# Altium PCB PCB1.PcbDoc (part 1 of 2)
Units mil, origin at the board's own origin, x right, y up, seen from the top; angles counter-clockwise.
Board outline 2012 x 1904 mil, 2 copper layers (Top Layer, Bottom Layer); 232 components, 45 nets, 892 pads, 160 vias.
Unrouted connection lines stored in the file: 3.
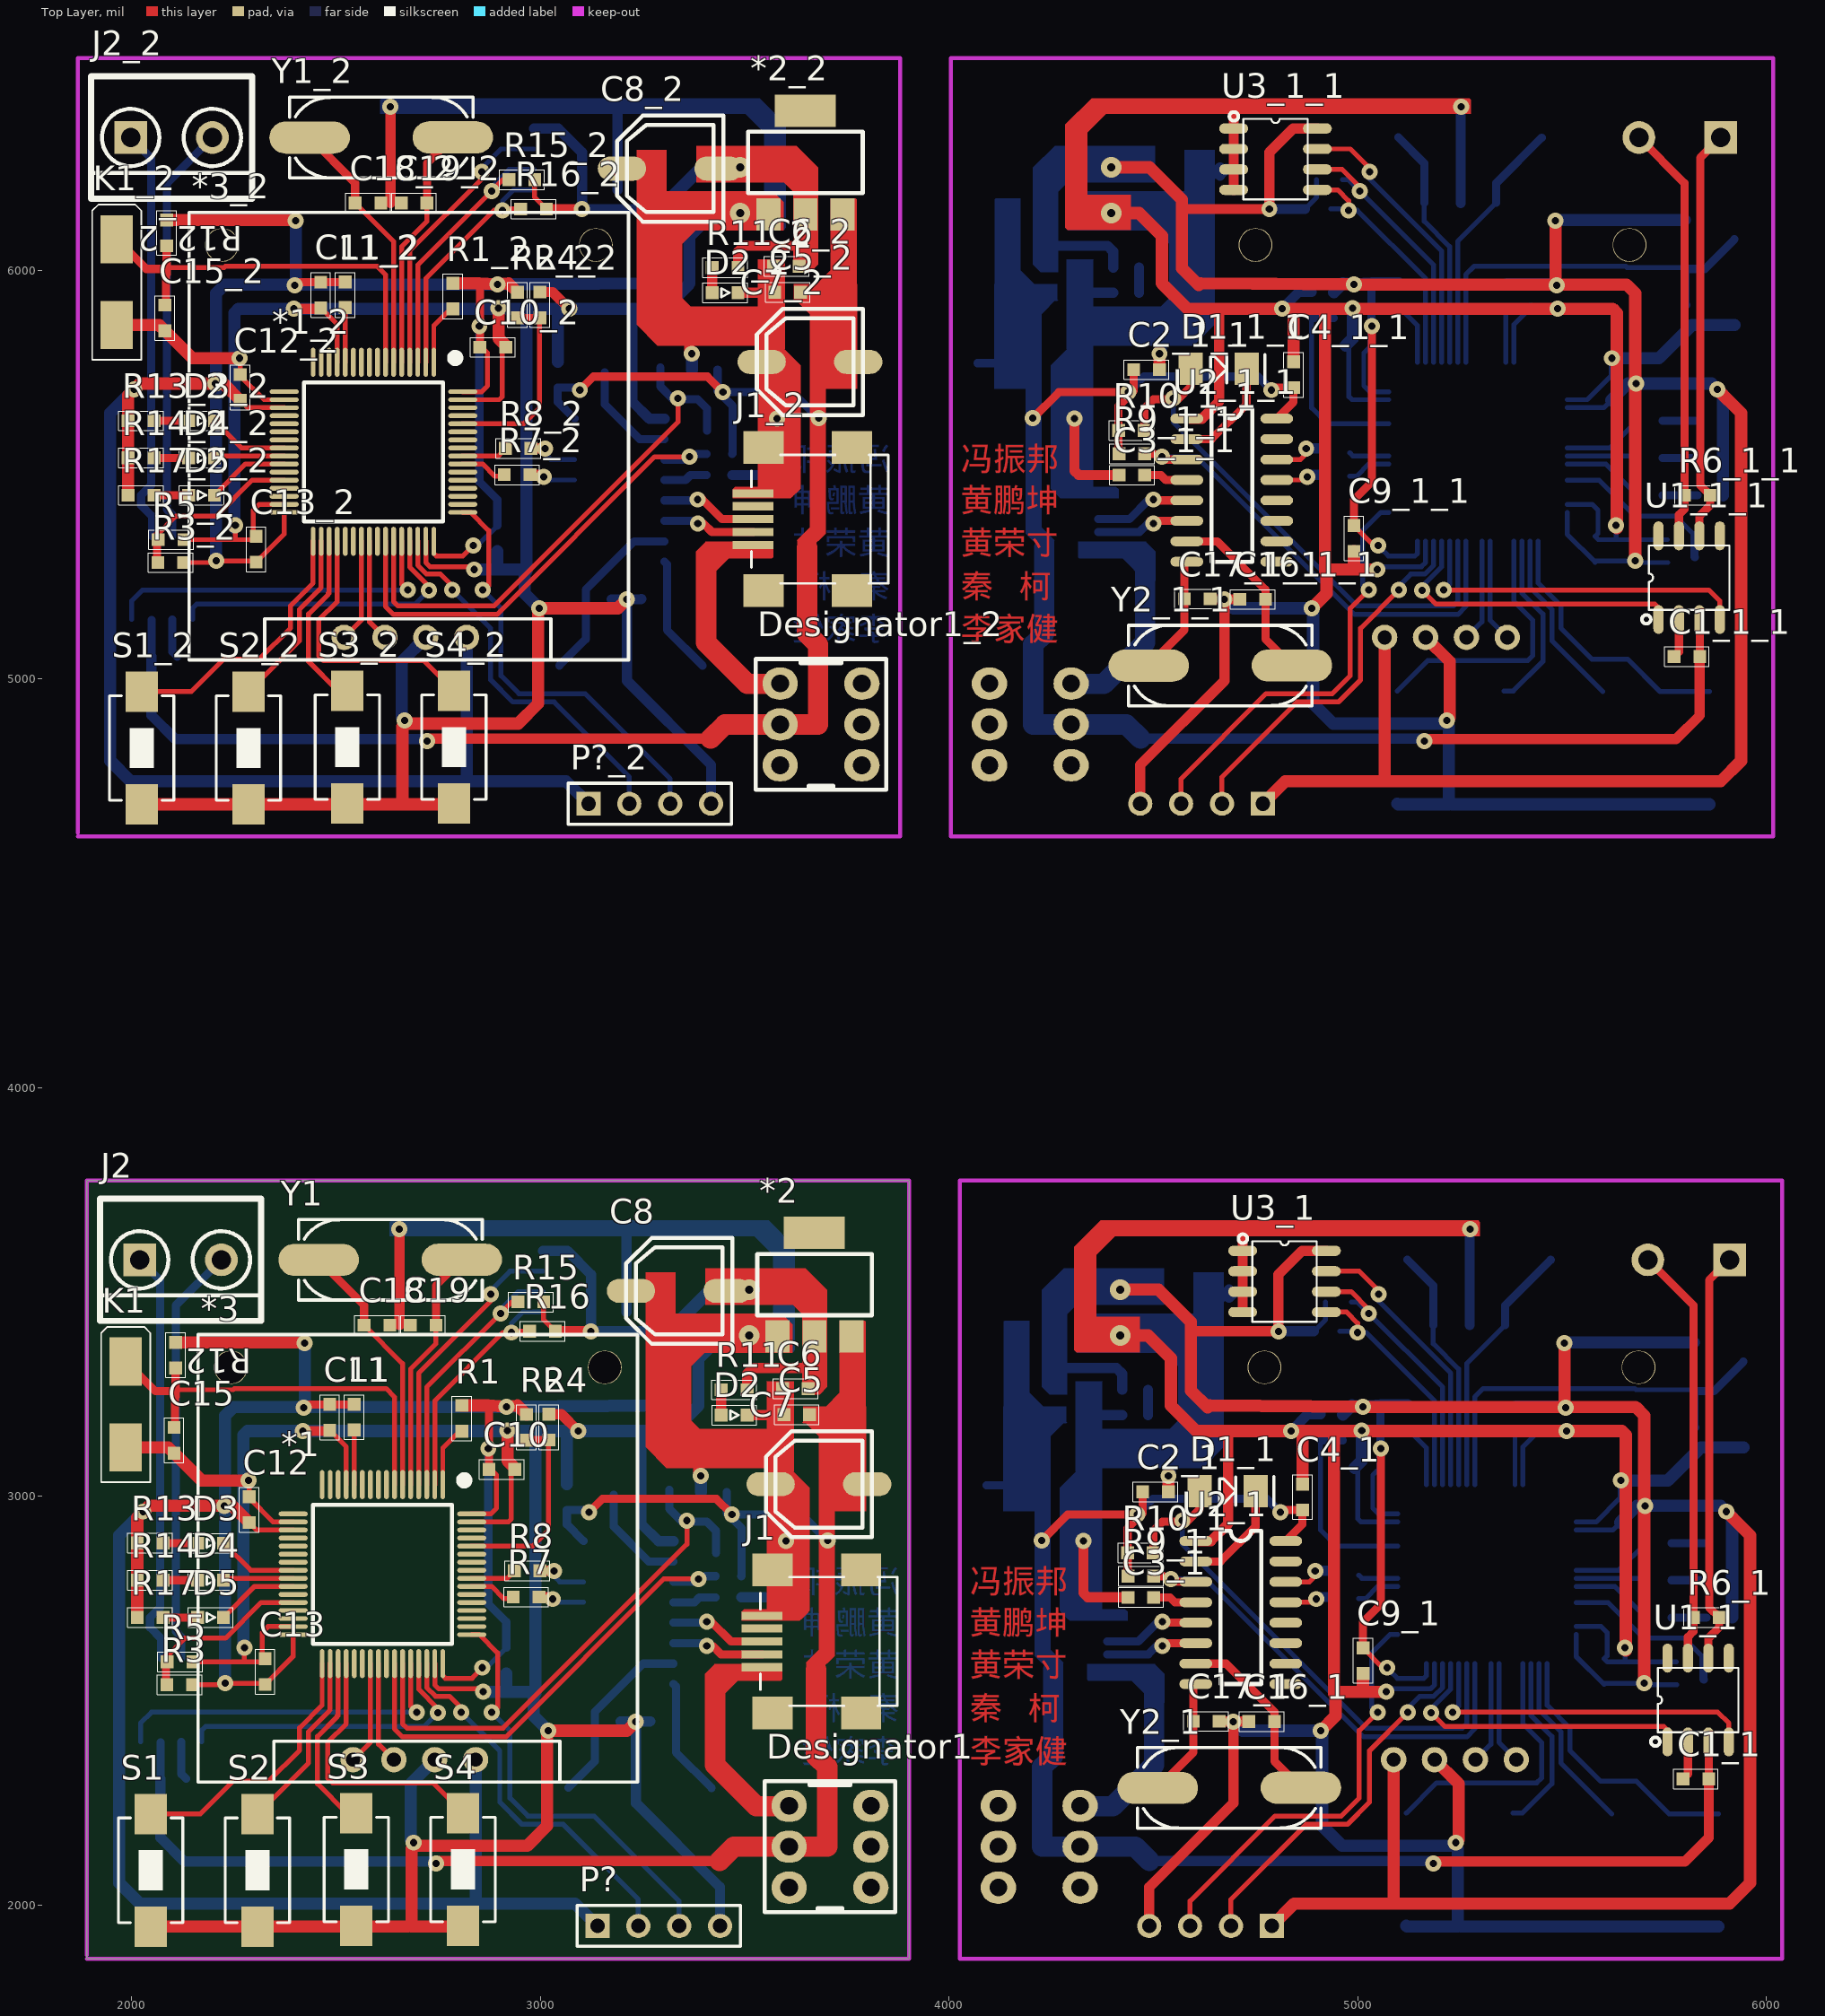
[diagram p0: Top Layer view]
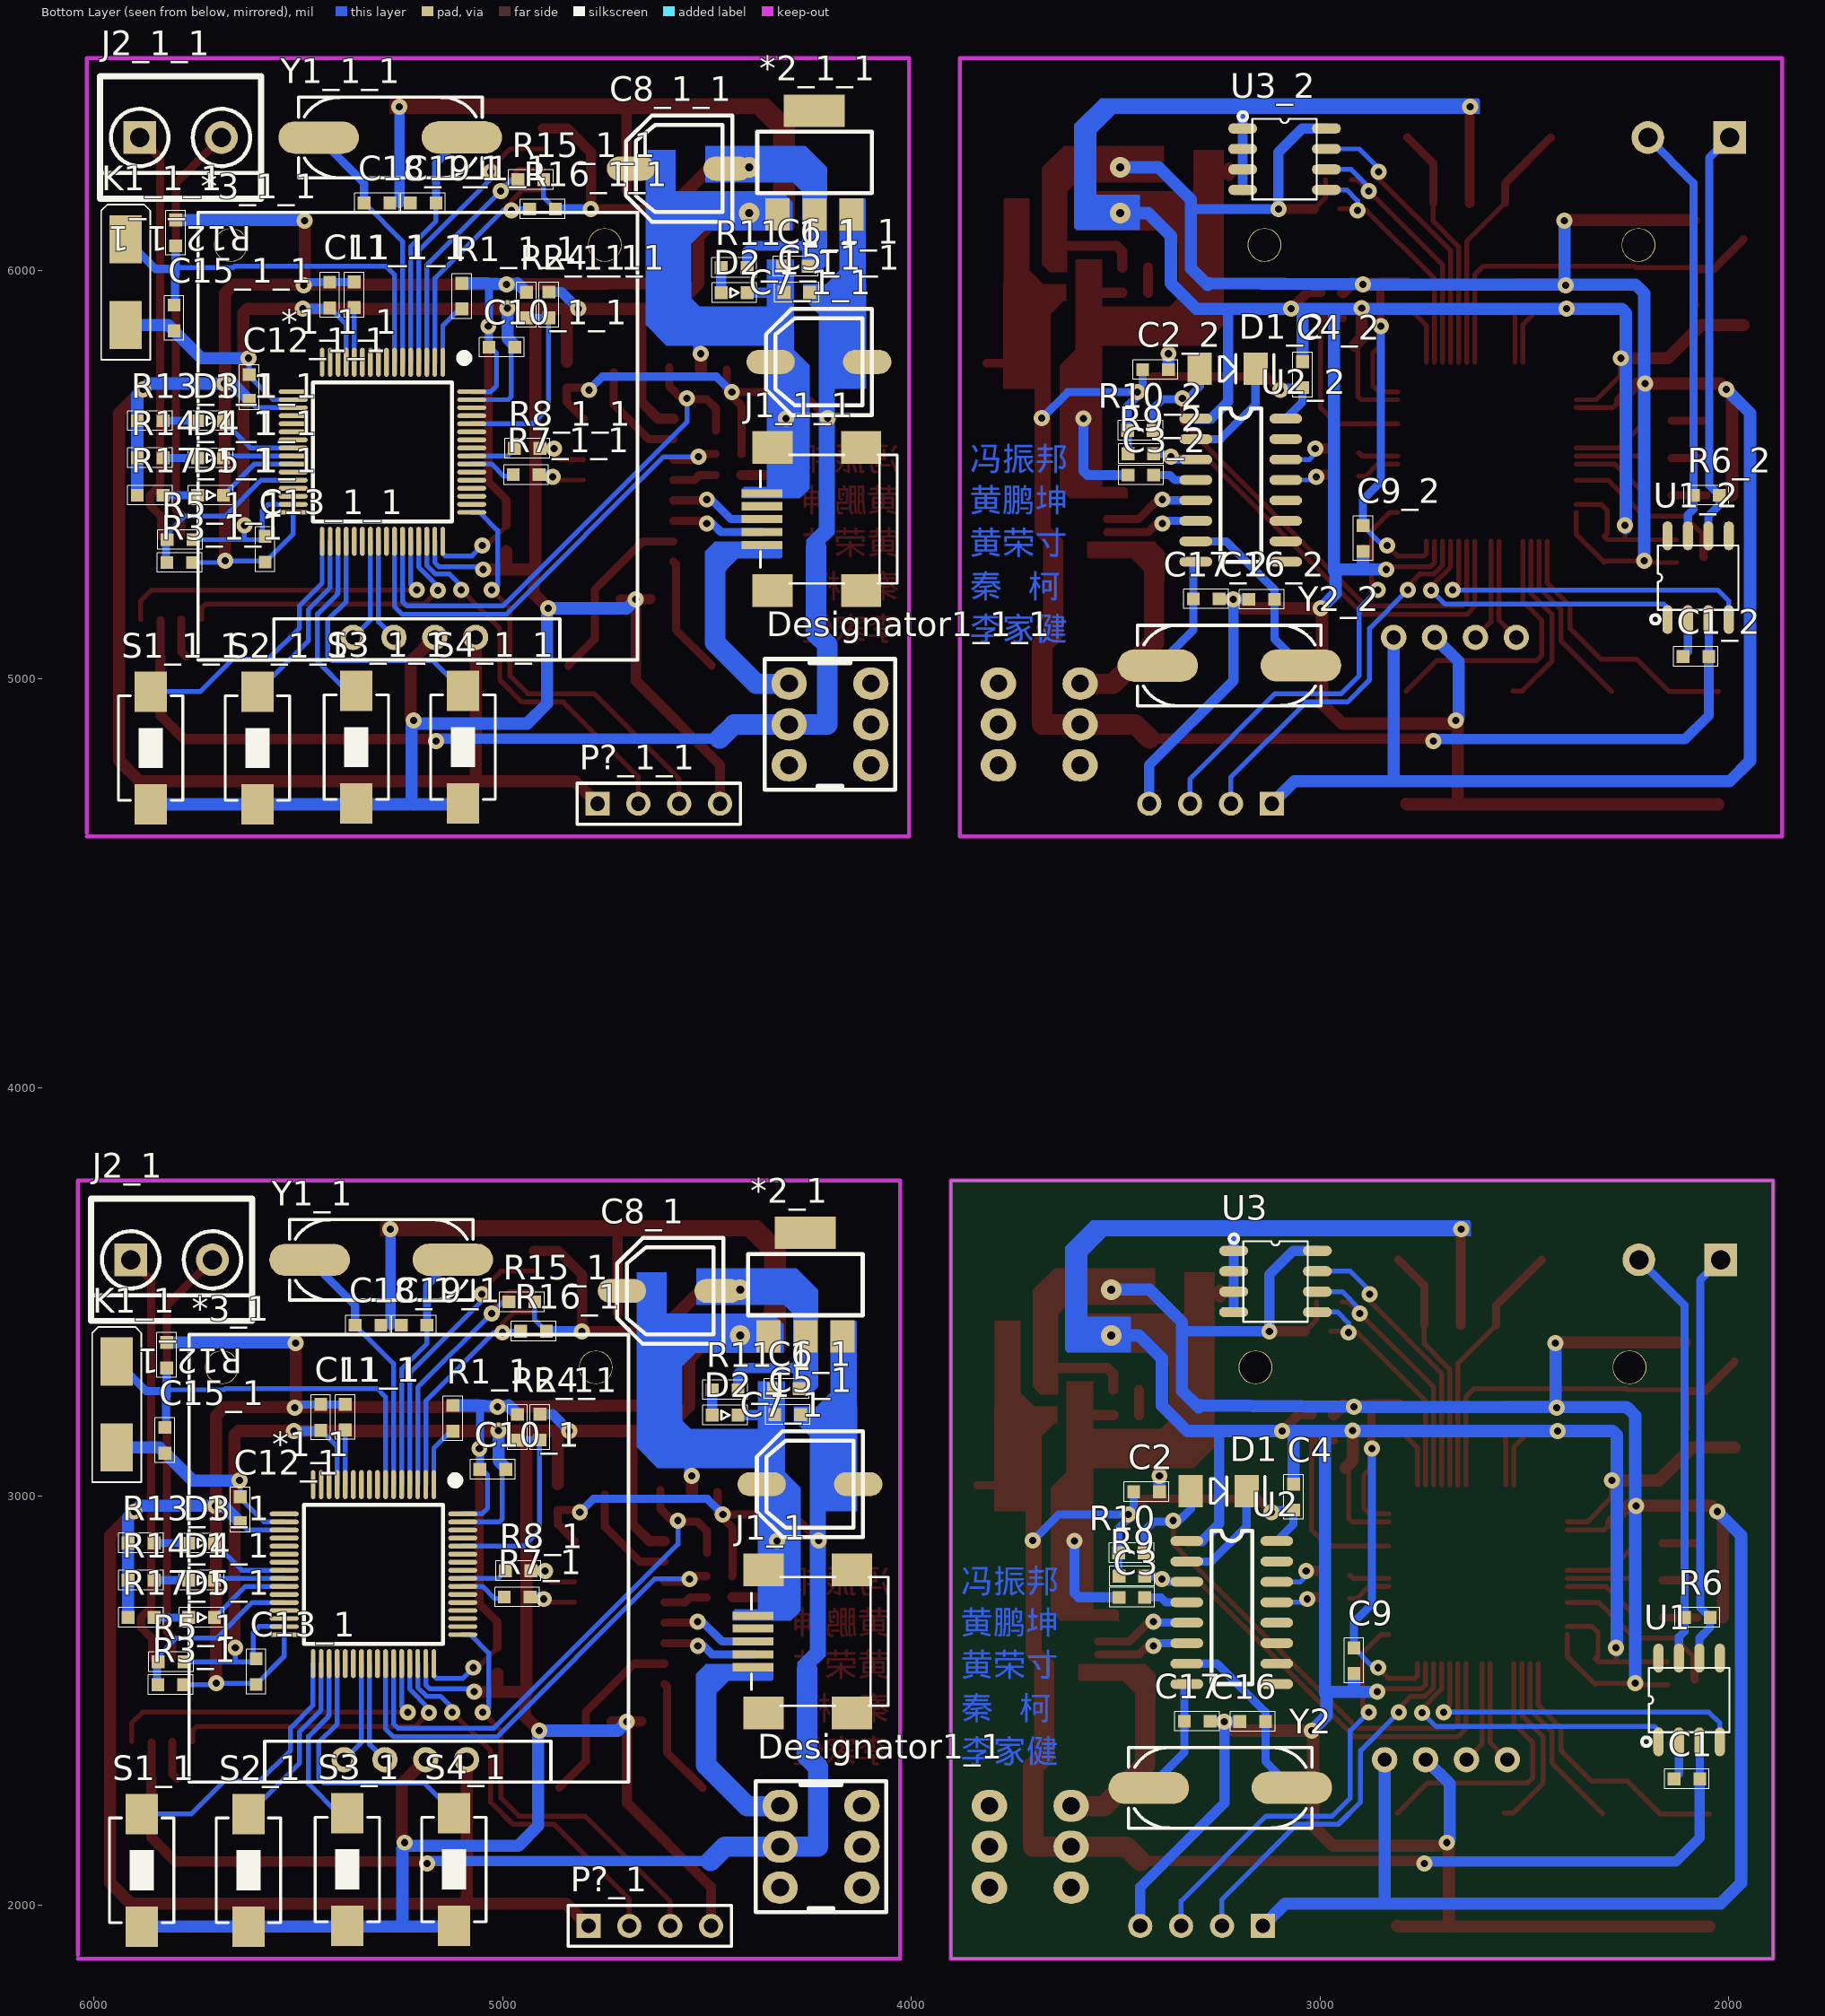
[diagram p1: Bottom Layer view, seen from below]

## Layer stack, top to bottom
Top Solder: solder mask 0.4, Solder Resist, Dk 3.5
Top Layer: signal copper 1.4
Dielectric 1: dielectric 12.6, FR-4, Dk 4.8
Bottom Layer: signal copper 1.4
Bottom Solder: solder mask 0.4, Solder Resist, Dk 3.5

## Board outline
1891,1869 1891,3773 3903,3773 3903,1869

## Design rules (kind name [scope] priority, off if disabled: settings)
Clearance [All] p1: gap=0 ignorepadtopadclearanceinfootprint=FALSE
DiffPairsRouting [All] p1: maxlimit=10 minlimit=10 mostfreqgap=10 toplayer_minwidth=10 toplayer_maxwidth=15 toplayer_prefwidth=15 bottomlayer_minwidth=10 bottomlayer_maxwidth=15 bottomlayer_prefwidth=15 maxuncoupledlength=500
PolygonConnect [All] p1: connectstyle=Relief reliefconductorwidth=10 reliefentries=4 polygonreliefangle="90 Angle" airgapwidth=10
RoutingVias [All] p1: holewidth=19.68 width=39.37 viastyle="Through Hole" minholewidth=15.75 minwidth=31.5 maxholewidth=17.72 maxwidth=39.37
SolderMaskExpansion [All] p1: expansion=4
Width [All] p1: maxlimit=50 minlimit=10 preferedwidth=30
29 further rules are at their usual default settings.

## Classes and differential pairs
component class Sheet1: *1 *2 *3 C1 C2 C3 C4 C5 C6 C7 C8 C9 C10 C11 C12 C13 C14 C15 C16 C17 C18 C19 D1 D2 D3 D4 D5 J1 J2 K1 L1 P? R1 R2 R3 R4 R5 R6 R7 R8 R9 R10 R11 R12 R13 R14 R15 R16 R17 S1 S2 S3 S4 U1 U2 U3 Y1 Y2

## Components (designator, comment, footprint, x,y, rotation, side; value= is the part's Value field where it differs from the comment)
*1 "STM32FxxxR" LQFP64-10*10 2614,2810 r180 top
*1_1 "STM32FxxxR" LQFP64-10*10 5316,2810 r0 bottom (schematic designator *1)
*1_1_1 "STM32FxxxR" LQFP64-10*10 5294,5556 r0 bottom (schematic designator *1)
*1_2 "STM32FxxxR" LQFP64-10*10 2592,5556 r180 top (schematic designator *1)
*2 "AMS1117" SOT-223 3671,3518 r0 top
*2_1 "AMS1117" SOT-223 4259,3518 r180 bottom (schematic designator *2)
*2_1_1 "AMS1117" SOT-223 4237,6264 r180 bottom (schematic designator *2)
*2_2 "AMS1117" SOT-223 3649,6264 r0 top (schematic designator *2)
*3 "oled" OLED_7 2778,2401 r180 top locked
*3_1 "oled" OLED_7 5152,2401 r0 bottom locked (schematic designator *3)
*3_1_1 "oled" OLED_7 5130,5147 r0 bottom locked (schematic designator *3)
*3_2 "oled" OLED_7 2756,5147 r180 top locked (schematic designator *3)
C1 "107" C_0603 2102.5,2309 r0 bottom
C1_1 "107" C_0603 5827.5,2309 r180 top (schematic designator C1)
C1_1_1 "107" C_0603 5805.5,5055 r180 top (schematic designator C1)
C1_2 "107" C_0603 2080.5,5055 r0 bottom (schematic designator C1)
C2 "104" C_0603 3424.5,3011 r0 bottom
C2_1 "104" C_0603 4505.5,3011 r180 top (schematic designator C2)
C2_1_1 "104" C_0603 4483.5,5757 r180 top (schematic designator C2)
C2_2 "104" C_0603 3402.5,5757 r0 bottom (schematic designator C2)
C3 "103" C_0603 3460.5,2753 r180 bottom
C3_1 "103" C_0603 4469.5,2753 r0 top (schematic designator C3)
C3_1_1 "103" C_0603 4447.5,5499 r0 top (schematic designator C3)
C3_2 "103" C_0603 3438.5,5499 r180 bottom (schematic designator C3)
C4 "22U" C_0603 3065,2998.5 r90 bottom
C4_1 "22U" C_0603 4865,2998.5 r90 top (schematic designator C4)
C4_1_1 "22U" C_0603 4843,5744.5 r90 top (schematic designator C4)
C4_2 "22U" C_0603 3043,5744.5 r90 bottom (schematic designator C4)
C5 "CAP" C_0603 3627.5,3200 r0 top
C5_1 "CAP" C_0603 4302.5,3200 r180 bottom (schematic designator C5)
C5_1_1 "CAP" C_0603 4280.5,5946 r180 bottom (schematic designator C5)
C5_2 "CAP" C_0603 3605.5,5946 r0 top (schematic designator C5)
C6 "CAP" C_0603 3624.5,3264 r0 top
C6_1 "CAP" C_0603 4305.5,3264 r180 bottom (schematic designator C6)
C6_1_1 "CAP" C_0603 4283.5,6010 r180 bottom (schematic designator C6)
C6_2 "CAP" C_0603 3602.5,6010 r0 top (schematic designator C6)
C7 "CAP_6.5X6.5" EC_6.5X6.5 3681.89,3030 r90 top value=47UF
C7_1 "CAP_6.5X6.5" EC_6.5X6.5 4248.11,3030 r90 bottom value=47UF (schematic designator C7)
C7_1_1 "CAP_6.5X6.5" EC_6.5X6.5 4226.11,5776 r90 bottom value=47UF (schematic designator C7)
C7_2 "CAP_6.5X6.5" EC_6.5X6.5 3659.89,5776 r90 top value=47UF (schematic designator C7)
C8 "CAP_6.5X6.5" EC_6.5X6.5 3340,3503 r90 top value=47UF
C8_1 "CAP_6.5X6.5" EC_6.5X6.5 4590,3503 r90 bottom value=47UF (schematic designator C8)
C8_1_1 "CAP_6.5X6.5" EC_6.5X6.5 4568,6249 r90 bottom value=47UF (schematic designator C8)
C8_2 "CAP_6.5X6.5" EC_6.5X6.5 3318,6249 r90 top value=47UF (schematic designator C8)
C9 "CAP" C_0603 2917,2598 r90 bottom
C9_1 "CAP" C_0603 5013,2598 r90 top (schematic designator C9)
C9_1_1 "CAP" C_0603 4991,5344 r90 top (schematic designator C9)
C9_2 "CAP" C_0603 2895,5344 r90 bottom (schematic designator C9)
C10 "CAP" C_0603 2906,3066 r180 top
C10_1 "CAP" C_0603 5024,3066 r0 bottom (schematic designator C10)
C10_1_1 "CAP" C_0603 5002,5812 r0 bottom (schematic designator C10)
C10_2 "CAP" C_0603 2884,5812 r180 top (schematic designator C10)
C11 "CAP" C_0603 2485,3193.5 r90 top
C11_1 "CAP" C_0603 5445,3193.5 r90 bottom (schematic designator C11)
C11_1_1 "CAP" C_0603 5423,5939.5 r90 bottom (schematic designator C11)
C11_2 "CAP" C_0603 2463,5939.5 r90 top (schematic designator C11)
C12 "CAP" C_0603 2288,2967.5 r270 top
C12_1 "CAP" C_0603 5642,2967.5 r270 bottom (schematic designator C12)
C12_1_1 "CAP" C_0603 5620,5713.5 r270 bottom (schematic designator C12)
C12_2 "CAP" C_0603 2266,5713.5 r270 top (schematic designator C12)
C13 "CAP" C_0603 2327,2571.5 r270 top
C13_1 "CAP" C_0603 5603,2571.5 r270 bottom (schematic designator C13)
C13_1_1 "CAP" C_0603 5581,5317.5 r270 bottom (schematic designator C13)
C13_2 "CAP" C_0603 2305,5317.5 r270 top (schematic designator C13)
C15 "104" C_0603 2104,3137.5 r270 top
C15_1 "104" C_0603 5826,3137.5 r270 bottom (schematic designator C15)
C15_1_1 "104" C_0603 5804,5883.5 r270 bottom (schematic designator C15)
C15_2 "104" C_0603 2082,5883.5 r270 top (schematic designator C15)
C16 "22P" C_0603 3165,2449 r180 bottom
C16_1 "22P" C_0603 4765,2449 r0 top (schematic designator C16)
C16_1_1 "22P" C_0603 4743,5195 r0 top (schematic designator C16)
C16_2 "22P" C_0603 3143,5195 r180 bottom (schematic designator C16)
C17 "22P" C_0603 3300.5,2450 r0 bottom
C17_1 "22P" C_0603 4629.5,2450 r180 top (schematic designator C17)
C17_1_1 "22P" C_0603 4607.5,5196 r180 top (schematic designator C17)
C17_2 "22P" C_0603 3278.5,5196 r0 bottom (schematic designator C17)
C18 "104" C_0603 2600.5,3419 r0 top
C18_1 "104" C_0603 5329.5,3419 r180 bottom (schematic designator C18)
C18_1_1 "104" C_0603 5307.5,6165 r180 bottom (schematic designator C18)
C18_2 "104" C_0603 2578.5,6165 r0 top (schematic designator C18)
C19 "104" C_0603 2713.5,3419 r180 top
C19_1 "104" C_0603 5216.5,3419 r0 bottom (schematic designator C19)
C19_1_1 "104" C_0603 5194.5,6165 r0 bottom (schematic designator C19)
C19_2 "104" C_0603 2691.5,6165 r180 top (schematic designator C19)
D1 "1N4001" D-1206 3250,3013 r180 bottom
D1_1 "1N4001" D-1206 4680,3013 r0 top (schematic designator D1)
D1_1_1 "1N4001" D-1206 4658,5759 r0 top (schematic designator D1)
D1_2 "1N4001" D-1206 3228,5759 r180 bottom (schematic designator D1)
D2 "LED" LED_0603 3474.5,3199 r0 top value=BLUE
D2_1 "LED" LED_0603 4455.5,3199 r180 bottom value=BLUE (schematic designator D2)
D2_1_1 "LED" LED_0603 4433.5,5945 r180 bottom value=BLUE (schematic designator D2)
D2_2 "LED" LED_0603 3452.5,5945 r0 top value=BLUE (schematic designator D2)
D3 "LED" LED_0603 2193.5,2885.8 r0 top value=BLUE
D3_1 "LED" LED_0603 5736.5,2885.8 r180 bottom value=BLUE (schematic designator D3)
D3_1_1 "LED" LED_0603 5714.5,5631.8 r180 bottom value=BLUE (schematic designator D3)
D3_2 "LED" LED_0603 2171.5,5631.8 r0 top value=BLUE (schematic designator D3)
D4 "LED" LED_0603 2193.5,2794.8 r0 top value=BLUE
D4_1 "LED" LED_0603 5736.5,2794.8 r180 bottom value=BLUE (schematic designator D4)
D4_1_1 "LED" LED_0603 5714.5,5540.8 r180 bottom value=BLUE (schematic designator D4)
D4_2 "LED" LED_0603 2171.5,5540.8 r0 top value=BLUE (schematic designator D4)
D5 "LED" LED_0603 2193.5,2703.8 r0 top value=BLUE
D5_1 "LED" LED_0603 5736.5,2703.8 r180 bottom value=BLUE (schematic designator D5)
D5_1_1 "LED" LED_0603 5714.5,5449.8 r180 bottom value=BLUE (schematic designator D5)
D5_2 "LED" LED_0603 2171.5,5449.8 r0 top value=BLUE (schematic designator D5)
Designator1 "Comment" SW-6 3709,2143 r0 top
Designator1_1 "Comment" SW-6 4221,2143 r180 bottom
Designator1_1_1 "Comment" SW-6 4199,4889 r180 bottom
Designator1_2 "Comment" SW-6 3687,4889 r0 top
J1 "USB-MINI" USB-MINI 3663.94,2645.2 r270 top
J1_1 "USB-MINI" USB-MINI 4266.06,2645.2 r270 bottom (schematic designator J1)
J1_1_1 "USB-MINI" USB-MINI 4244.06,5391.2 r270 bottom (schematic designator J1)
J1_2 "USB-MINI" USB-MINI 3641.94,5391.2 r270 top (schematic designator J1)
J2 "CON_2PIN" CON_2PIN 2120,3579 r180 top
J2_1 "CON_2PIN" CON_2PIN 5810,3579 r0 bottom (schematic designator J2)
J2_1_1 "CON_2PIN" CON_2PIN 5788,6325 r0 bottom (schematic designator J2)
J2_2 "CON_2PIN" CON_2PIN 2098,6325 r180 top (schematic designator J2)
K1 "SW-PB" SW-PB4 1986,3225 r270 top
K1_1 "SW-PB" SW-PB4 5944,3225 r270 bottom (schematic designator K1)
K1_1_1 "SW-PB" SW-PB4 5922,5971 r270 bottom (schematic designator K1)
K1_2 "SW-PB" SW-PB4 1964,5971 r270 top (schematic designator K1)
L1 "L" L-0603 2545.2,3194.2 r270 top
L1_1 "L" L-0603 5384.8,3194.2 r270 bottom (schematic designator L1)
L1_1_1 "L" L-0603 5362.8,5940.2 r270 bottom (schematic designator L1)
L1_2 "L" L-0603 2523.2,5940.2 r270 top (schematic designator L1)
P? "Header 4" HDR4X1-2.54 3140,1949 r0 top
P?_1 "Header 4" HDR4X1-2.54 4790,1949 r180 bottom (schematic designator P?)
P?_1_1 "Header 4" HDR4X1-2.54 4768,4695 r180 bottom (schematic designator P?)